# Altium PCB DriverPCB.PcbDoc (part 1 of 2) (continued)
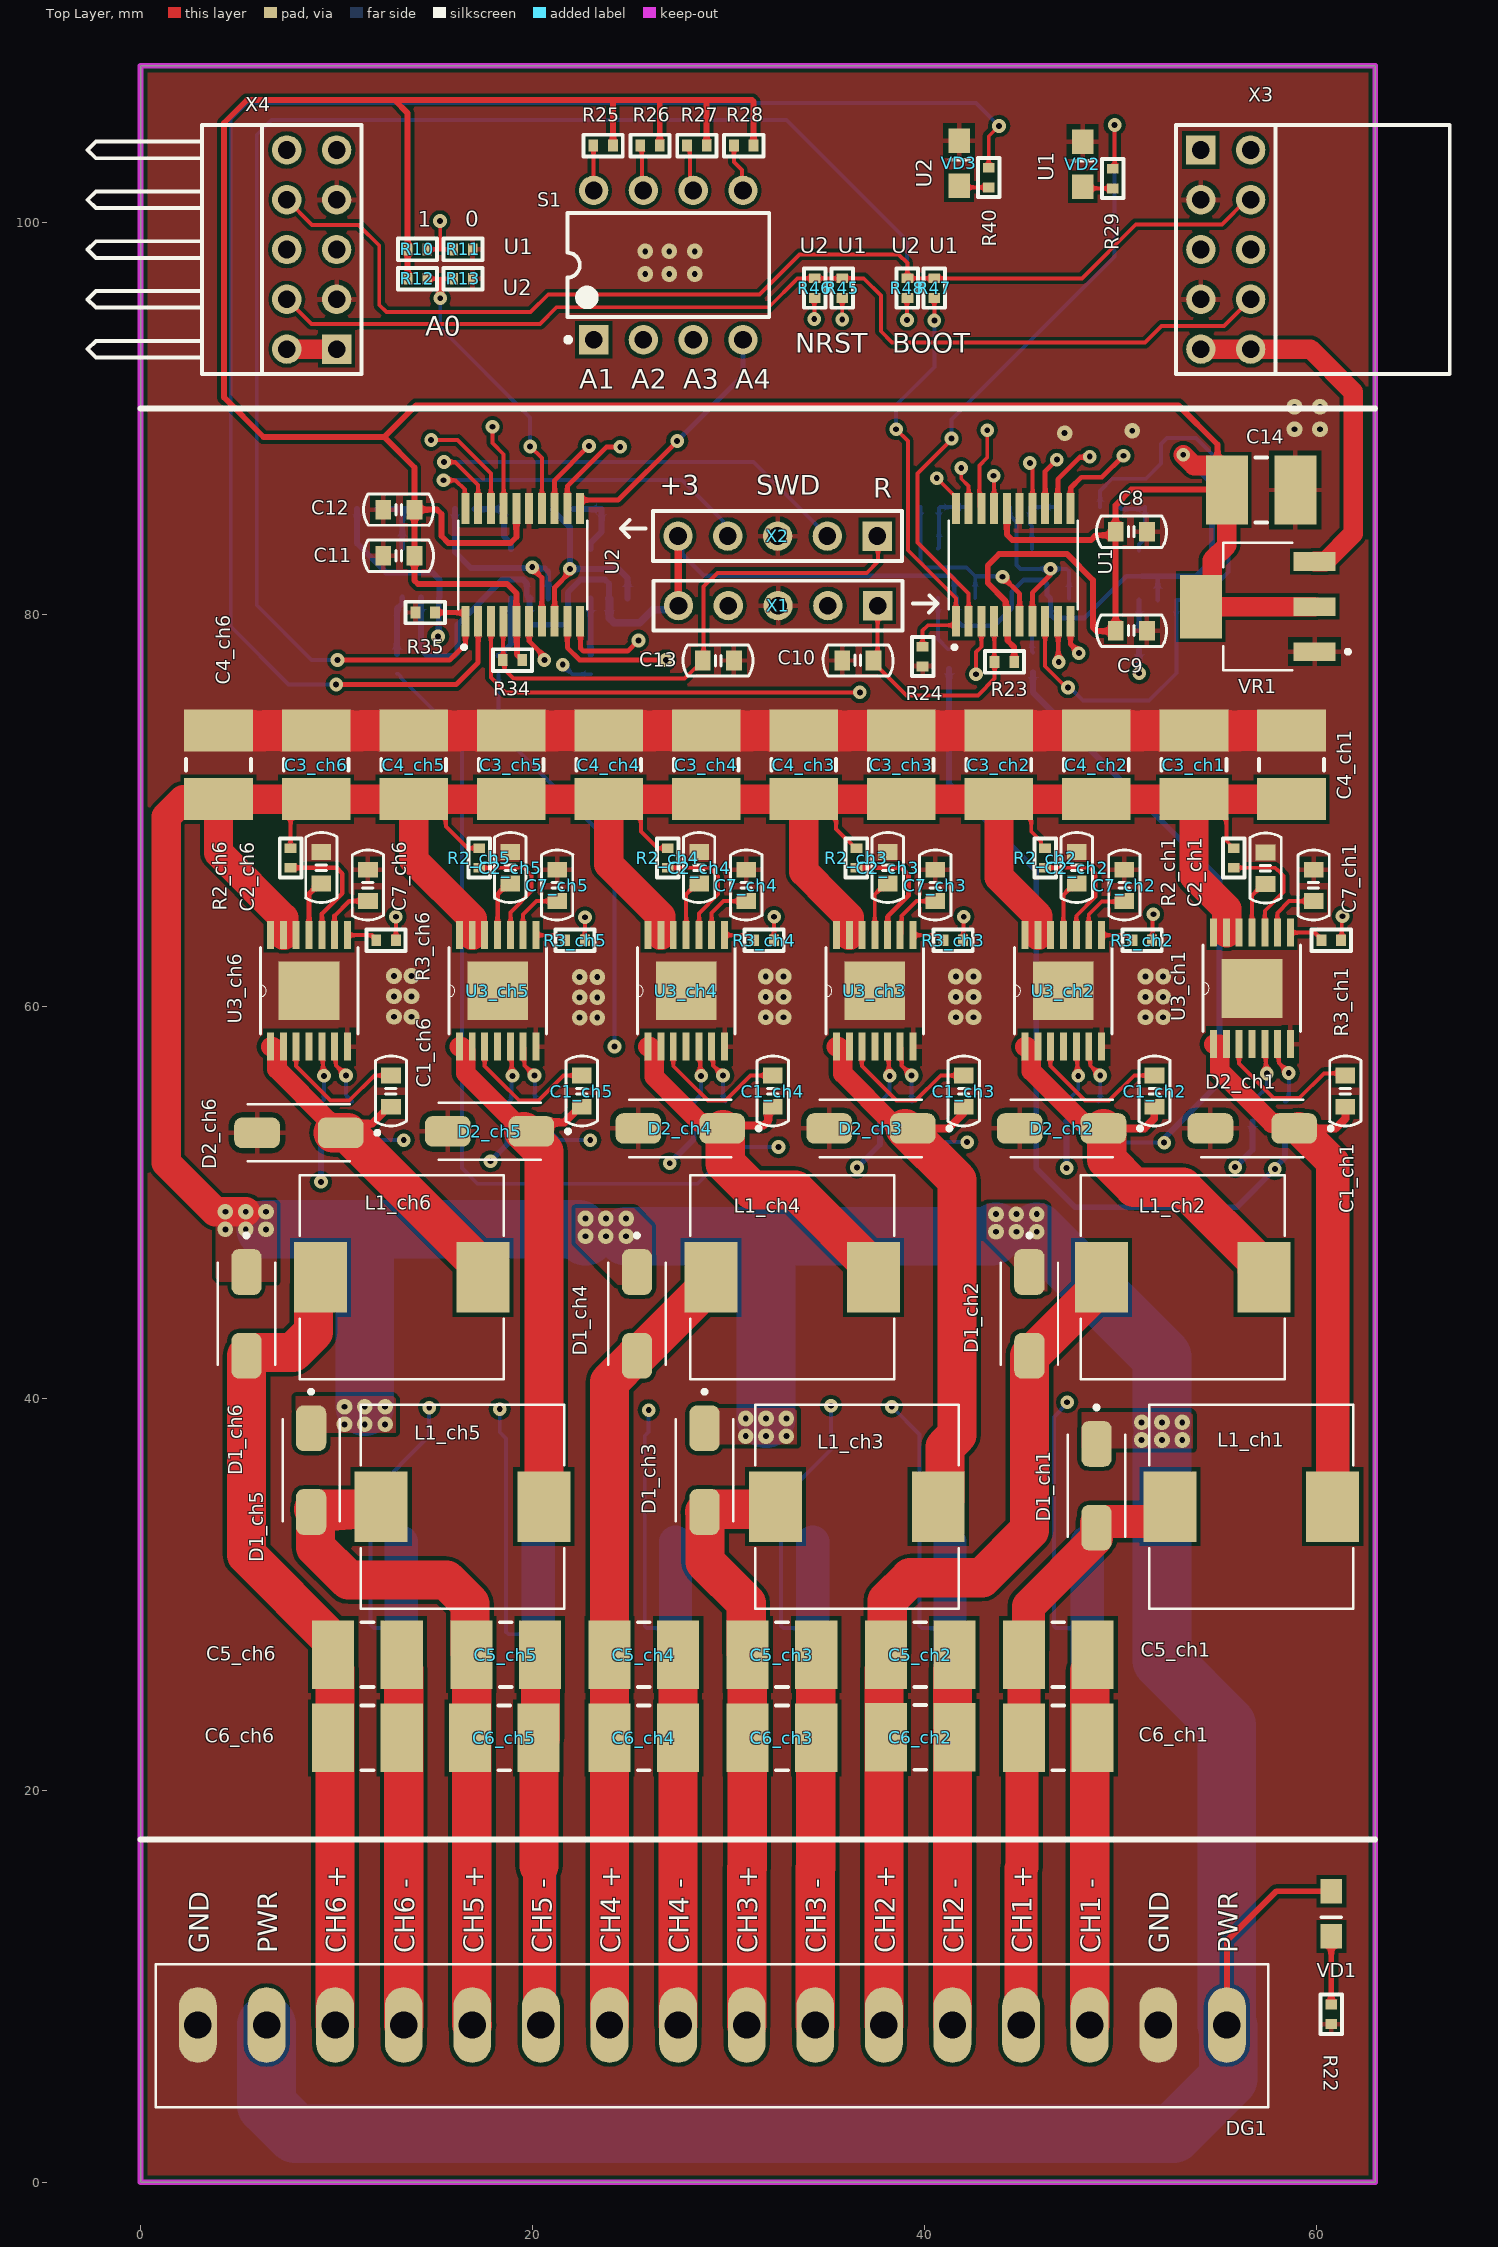
[diagram p0: Top Layer view]
## Classes and differential pairs (continued)
component class ch1: C1_ch1 C1_U_chanel1_U_chanel1 C2_ch1 C2_U_chanel1_U_chanel1 C3_ch1 C4_ch1 C5_ch1 C6_ch1 C7_ch1 C8_U_chanel1_U_chanel1 D1_ch1 D1_U_chanel1_U_chanel1 D2_ch1 D2_U_chanel1_U_chanel1 L1_ch1 L1_U_chanel1_U_chanel1 R1_ch1 R1_U_chanel1_U_chanel1 R2_ch1 R2_U_chanel1_U_chanel1 R3_ch1 R3_U_chanel1_U_chanel1 R4_ch1 R5_ch1 R5_U_chanel1_U_chanel1 R6_ch1 R6_U_chanel1_U_chanel1 R7_ch1 R7_U_chanel1_U_chanel1 R8_ch1 R8_U_chanel1_U_chanel1 R9_ch1 R9_U_chanel1_U_chanel1 R11_U_chanel1_U_chanel1 R12_U_chanel1_U_chanel1 R13_U_chanel1_U_chanel1 R14_ch1 R16_ch1 R17_ch1 U1_U_chanel1_U_chanel1 U2_U_chanel1_U_chanel1 U3_ch1 U4_ch1
component class DriverPCB: C8 C9 C10 C11 C12 C13 C14 DG1 H? R10 R11 R12 R13 R22 R23 R24 R25 R26 R27 R28 R29 R34 R35 R40 R45 R46 R47 R48 S1 U1 U2 VD1 VD2 VD3 VR1 X1 X2 X3 X4

## Components (designator, comment, footprint, x,y, rotation, side; value= is the part's Value field where it differs from the comment)
C1_ch1 "0603 0.1 uF" "CAPACITOR 0603" 61.475,54.875 r90 top (schematic designator C1)
C1_ch2 "0603 0.1 uF" "CAPACITOR 0603" 51.735,54.875 r90 top (schematic designator C1)
C1_ch3 "0603 0.1 uF" "CAPACITOR 0603" 41.995,54.875 r90 top (schematic designator C1)
C1_ch4 "0603 0.1 uF" "CAPACITOR 0603" 32.255,54.875 r90 top (schematic designator C1)
C1_ch5 "0603 0.1 uF" "CAPACITOR 0603" 22.515,54.875 r90 top (schematic designator C1)
C1_ch6 "0603 0.1 uF" "CAPACITOR 0603" 12.775,54.875 r90 top (schematic designator C1)
C2_ch1 "0603 1 uF" "CAPACITOR 0603" 57.4,66.25 r90 top (schematic designator C2)
C2_ch2 "0603 1 uF" "CAPACITOR 0603" 47.765,66.275 r90 top (schematic designator C2)
C2_ch3 "0603 1 uF" "CAPACITOR 0603" 38.13,66.275 r90 top (schematic designator C2)
C2_ch4 "0603 1 uF" "CAPACITOR 0603" 28.495,66.275 r90 top (schematic designator C2)
C2_ch5 "0603 1 uF" "CAPACITOR 0603" 18.86,66.275 r90 top (schematic designator C2)
C2_ch6 "0603 1 uF" "CAPACITOR 0603" 9.225,66.275 r90 top (schematic designator C2)
C3_ch1 "1812 4.7 uF" CAPCHIP1812 53.748,72.325 r270 top (schematic designator C3)
C3_ch2 "1812 4.7 uF" CAPCHIP1812 43.793,72.325 r270 top (schematic designator C3)
C3_ch3 "1812 4.7 uF" CAPCHIP1812 38.816,72.325 r270 top (schematic designator C3)
C3_ch4 "1812 4.7 uF" CAPCHIP1812 28.861,72.325 r270 top (schematic designator C3)
C3_ch5 "1812 4.7 uF" CAPCHIP1812 18.907,72.325 r270 top (schematic designator C3)
C3_ch6 "1812 4.7 uF" CAPCHIP1812 8.952,72.325 r270 top (schematic designator C3)
C4_ch1 "1812 4.7 uF" CAPCHIP1812 58.725,72.325 r270 top (schematic designator C4)
C4_ch2 "1812 4.7 uF" CAPCHIP1812 48.77,72.325 r270 top (schematic designator C4)
C4_ch3 "1812 4.7 uF" CAPCHIP1812 33.839,72.325 r270 top (schematic designator C4)
C4_ch4 "1812 4.7 uF" CAPCHIP1812 23.884,72.325 r270 top (schematic designator C4)
C4_ch5 "1812 4.7 uF" CAPCHIP1812 13.93,72.325 r270 top (schematic designator C4)
C4_ch6 "1812 4.7 uF" CAPCHIP1812 3.975,72.325 r270 top (schematic designator C4)
C5_ch1 "1812 4.7 uF" CAPCHIP1812 46.825,26.925 r180 top (schematic designator C5)
C5_ch2 "1812 4.7 uF" CAPCHIP1812 39.775,26.925 r180 top (schematic designator C5)
C5_ch3 "1812 4.7 uF" CAPCHIP1812 32.725,26.925 r180 top (schematic designator C5)
C5_ch4 "1812 4.7 uF" CAPCHIP1812 25.675,26.925 r180 top (schematic designator C5)
C5_ch5 "1812 4.7 uF" CAPCHIP1812 18.625,26.925 r180 top (schematic designator C5)
C5_ch6 "1812 4.7 uF" CAPCHIP1812 11.575,26.925 r180 top (schematic designator C5)
C6_ch1 "1812 4.7 uF" CAPCHIP1812 46.825,22.675 r180 top (schematic designator C6)
C6_ch2 "1812 4.7 uF" CAPCHIP1812 39.775,22.7 r180 top (schematic designator C6)
C6_ch3 "1812 4.7 uF" CAPCHIP1812 32.725,22.675 r180 top (schematic designator C6)
C6_ch4 "1812 4.7 uF" CAPCHIP1812 25.675,22.675 r180 top (schematic designator C6)
C6_ch5 "1812 4.7 uF" CAPCHIP1812 18.55,22.675 r180 top (schematic designator C6)
C6_ch6 "1812 4.7 uF" CAPCHIP1812 11.575,22.675 r180 top (schematic designator C6)
C7_ch1 "0603 0.1 uF" "CAPACITOR 0603" 59.85,65.375 r90 top (schematic designator C7)
C7_ch2 "0603 0.1 uF" "CAPACITOR 0603" 50.2,65.375 r90 top (schematic designator C7)
C7_ch3 "0603 0.1 uF" "CAPACITOR 0603" 40.55,65.375 r90 top (schematic designator C7)
C7_ch4 "0603 0.1 uF" "CAPACITOR 0603" 30.9,65.375 r90 top (schematic designator C7)
C7_ch5 "0603 0.1 uF" "CAPACITOR 0603" 21.25,65.375 r90 top (schematic designator C7)
C7_ch6 "0603 0.1 uF" "CAPACITOR 0603" 11.6,65.375 r90 top (schematic designator C7)
C8 "0603 0.1 uF" "CAPACITOR 0603" 49.75,84.225 r0 top
C9 "0603 0.1 uF" "CAPACITOR 0603" 49.75,79.175 r0 top
C10 "0603 0.1 uF" "CAPACITOR 0603" 35.8,77.65 r0 top
C11 "0603 0.1 uF" "CAPACITOR 0603" 13.975,83 r180 top
C12 "0603 0.1 uF" "CAPACITOR 0603" 13.975,85.35 r180 top
C13 "0603 0.1 uF" "CAPACITOR 0603" 30.275,77.65 r180 top
C14 "1812 4.7 uF" CAPCHIP1812 57.175,86.35 r180 top
D1_ch1 "B340A-13" DIOM5226X240N#1 48.775,35.539 r270 top (schematic designator D1)
D1_ch2 "B340A-13" DIOM5226X240N#1 45.35,44.313 r270 top (schematic designator D1)
D1_ch3 "B340A-13" DIOM5226X240N#1 28.775,36.337 r270 top (schematic designator D1)
D1_ch4 "B340A-13" DIOM5226X240N#1 25.325,44.313 r270 top (schematic designator D1)
D1_ch5 "B340A-13" DIOM5226X240N#1 8.7,36.337 r270 top (schematic designator D1)
D1_ch6 "B340A-13" DIOM5226X240N#1 5.4,44.313 r270 top (schematic designator D1)
D2_ch1 "B340A-13" DIOM5226X240N#2 56.725,53.775 r180 top (schematic designator D2)
D2_ch2 "B340A-13" DIOM5226X240N#2 46.995,53.775 r180 top (schematic designator D2)
D2_ch3 "B340A-13" DIOM5226X240N#2 37.265,53.775 r180 top (schematic designator D2)
D2_ch4 "B340A-13" DIOM5226X240N#2 27.535,53.775 r180 top (schematic designator D2)
D2_ch5 "B340A-13" DIOM5226X240N#2 17.805,53.625 r180 top (schematic designator D2)
D2_ch6 "B340A-13" DIOM5226X240N#2 8.075,53.55 r180 top (schematic designator D2)
DG1 "15EDGVC-3.5-16P" 15EDGVC-3.5-16P 2.925,8.025 r90 top value=NC
L1_ch1 "B82464G4223M000" IND_B82464G4223M000 56.675,34.475 r180 top (schematic designator L1)
L1_ch2 "B82464G4223M000" IND_B82464G4223M000 53.175,46.175 r180 top (schematic designator L1)
L1_ch3 "B82464G4223M000" IND_B82464G4223M000 36.55,34.475 r180 top (schematic designator L1)
L1_ch4 "B82464G4223M000" IND_B82464G4223M000 33.25,46.175 r180 top (schematic designator L1)
L1_ch5 "B82464G4223M000" IND_B82464G4223M000 16.425,34.475 r180 top (schematic designator L1)
L1_ch6 "B82464G4223M000" IND_B82464G4223M000 13.325,46.175 r180 top (schematic designator L1)
R1_ch1 "0402 1K" "Resistor 0402" 56.725,54.125 r90 bottom (schematic designator R1)
R1_ch2 "0402 1K" "Resistor 0402" 47.225,54.125 r90 bottom (schematic designator R1)
R1_ch3 "0402 1K" "Resistor 0402" 37.725,54.125 r90 bottom (schematic designator R1)
R1_ch4 "0402 1K" "Resistor 0402" 28.225,54.125 r90 bottom (schematic designator R1)
R1_ch5 "0402 1K" "Resistor 0402" 18.725,54.125 r90 bottom (schematic designator R1)
R1_ch6 "0402 1K" "Resistor 0402" 9.225,54.125 r90 bottom (schematic designator R1)
R2_ch1 "0402 100K" "Resistor 0402" 55.775,67.075 r90 top (schematic designator R2)
R2_ch2 "0402 100K" "Resistor 0402" 46.15,67.075 r90 top (schematic designator R2)
R2_ch3 "0402 100K" "Resistor 0402" 36.525,67.075 r90 top (schematic designator R2)
R2_ch4 "0402 100K" "Resistor 0402" 26.9,67.075 r90 top (schematic designator R2)
R2_ch5 "0402 100K" "Resistor 0402" 17.275,67.075 r90 top (schematic designator R2)
R2_ch6 "0402 100K" "Resistor 0402" 7.65,67.075 r90 top (schematic designator R2)
R3_ch1 "0402 10K" "Resistor 0402" 60.25,63.375 r0 top (schematic designator R3)
R3_ch2 "0402 10K" "Resistor 0402" 50.605,63.375 r0 top (schematic designator R3)
R3_ch3 "0402 10K" "Resistor 0402" 40.96,63.375 r0 top (schematic designator R3)
R3_ch4 "0402 10K" "Resistor 0402" 31.315,63.375 r0 top (schematic designator R3)
R3_ch5 "0402 10K" "Resistor 0402" 21.67,63.375 r0 top (schematic designator R3)
R3_ch6 "0402 10K" "Resistor 0402" 12.025,63.375 r0 top (schematic designator R3)
R4_ch1 "0402 1K" "Resistor 0402" 58.4,54.15 r90 bottom (schematic designator R4)
R4_ch2 "0402 1K" "Resistor 0402" 48.88,54.15 r90 bottom (schematic designator R4)
R4_ch3 "0402 1K" "Resistor 0402" 39.36,54.15 r90 bottom (schematic designator R4)
R4_ch4 "0402 1K" "Resistor 0402" 29.84,54.15 r90 bottom (schematic designator R4)
R4_ch5 "0402 1K" "Resistor 0402" 20.32,54.15 r90 bottom (schematic designator R4)
R4_ch6 "0402 1K" "Resistor 0402" 10.8,54.15 r90 bottom (schematic designator R4)
R5_ch1 "1206 NC" "Resistor 1206" 48.295,32.675 r180 bottom (schematic designator R5)
R5_ch2 "1206 NC" "Resistor 1206" 41.295,32.675 r180 bottom (schematic designator R5)
R5_ch3 "1206 NC" "Resistor 1206" 34.294,32.675 r180 bottom (schematic designator R5)
R5_ch4 "1206 NC" "Resistor 1206" 27.293,32.675 r180 bottom (schematic designator R5)
R5_ch5 "1206 NC" "Resistor 1206" 20.292,32.675 r180 bottom (schematic designator R5)
R5_ch6 "1206 NC" "Resistor 1206" 13.292,32.675 r180 bottom (schematic designator R5)
R6_ch1 "1206 1 Om" "Resistor 1206" 48.295,30.475 r180 bottom (schematic designator R6)
R6_ch2 "1206 1 Om" "Resistor 1206" 41.295,30.475 r180 bottom (schematic designator R6)
R6_ch3 "1206 1 Om" "Resistor 1206" 34.294,30.475 r180 bottom (schematic designator R6)
R6_ch4 "1206 1 Om" "Resistor 1206" 27.293,30.475 r180 bottom (schematic designator R6)
R6_ch5 "1206 1 Om" "Resistor 1206" 20.292,30.475 r180 bottom (schematic designator R6)
R6_ch6 "1206 1 Om" "Resistor 1206" 13.292,30.475 r180 bottom (schematic designator R6)
R7_ch1 "1206 1 Om" "Resistor 1206" 48.295,28.275 r180 bottom (schematic designator R7)
R7_ch2 "1206 1 Om" "Resistor 1206" 41.295,28.275 r180 bottom (schematic designator R7)
R7_ch3 "1206 1 Om" "Resistor 1206" 34.294,28.275 r180 bottom (schematic designator R7)
R7_ch4 "1206 1 Om" "Resistor 1206" 27.293,28.275 r180 bottom (schematic designator R7)
R7_ch5 "1206 1 Om" "Resistor 1206" 20.292,28.275 r180 bottom (schematic designator R7)
R7_ch6 "1206 1 Om" "Resistor 1206" 13.292,28.275 r180 bottom (schematic designator R7)
R8_ch1 "1206 1 Om" "Resistor 1206" 48.295,26.075 r180 bottom (schematic designator R8)
R8_ch2 "1206 1 Om" "Resistor 1206" 41.295,26.075 r180 bottom (schematic designator R8)
R8_ch3 "1206 1 Om" "Resistor 1206" 34.294,26.075 r180 bottom (schematic designator R8)
R8_ch4 "1206 1 Om" "Resistor 1206" 27.293,26.075 r180 bottom (schematic designator R8)
R8_ch5 "1206 1 Om" "Resistor 1206" 20.292,26.075 r180 bottom (schematic designator R8)
R8_ch6 "1206 1 Om" "Resistor 1206" 13.292,26.075 r180 bottom (schematic designator R8)
R9_ch1 "1206 NC" "Resistor 1206" 48.295,23.875 r180 bottom (schematic designator R9)
R9_ch2 "1206 NC" "Resistor 1206" 41.295,23.875 r180 bottom (schematic designator R9)
R9_ch3 "1206 NC" "Resistor 1206" 34.294,23.875 r180 bottom (schematic designator R9)
R9_ch4 "1206 NC" "Resistor 1206" 27.293,23.875 r180 bottom (schematic designator R9)
R9_ch5 "1206 NC" "Resistor 1206" 20.292,23.875 r180 bottom (schematic designator R9)
R9_ch6 "1206 NC" "Resistor 1206" 13.292,23.875 r180 bottom (schematic designator R9)
R10 "0402 NC" "Resistor 0402" 14.625,98.625 r180 top
R11 "0402 10K" "Resistor 0402" 16.95,98.625 r180 top
R12 "0402 10K" "Resistor 0402" 14.625,97.125 r180 top
R13 "0402 NC" "Resistor 0402" 16.95,97.125 r180 top
R14_ch1 "0402 1K" "Resistor 0402" 41.25,77.225 r90 bottom (schematic designator R14)
R14_ch2 "0402 1K" "Resistor 0402" 45.525,77.05 r90 bottom (schematic designator R14)
R14_ch3 "0402 1K" "Resistor 0402" 50.95,78.2 r90 bottom (schematic designator R14)
R14_ch4 "0402 1K" "Resistor 0402" 13.075,76.975 r90 bottom (schematic designator R14)
R14_ch5 "0402 1K" "Resistor 0402" 18.263,76.9 r90 bottom (schematic designator R14)
R14_ch6 "0402 1K" "Resistor 0402" 22.975,76.95 r90 bottom (schematic designator R14)
R16_ch1 "0402 1K" "Resistor 0402" 43.08,85.475 r180 bottom (schematic designator R16)
R16_ch2 "0402 1K" "Resistor 0402" 47.665,85.475 r180 bottom (schematic designator R16)
R16_ch3 "0402 1K" "Resistor 0402" 52.25,85.475 r180 bottom (schematic designator R16)
R16_ch4 "0402 1K" "Resistor 0402" 14.545,85.375 r180 bottom (schematic designator R16)
R16_ch5 "0402 1K" "Resistor 0402" 19.535,85.375 r180 bottom (schematic designator R16)
R16_ch6 "0402 1K" "Resistor 0402" 24.525,85.375 r180 bottom (schematic designator R16)
R17_ch1 "0402 10K" "Resistor 0402" 40.787,85.475 r180 bottom (schematic designator R17)
R17_ch2 "0402 10K" "Resistor 0402" 45.372,85.475 r180 bottom (schematic designator R17)
R17_ch3 "0402 10K" "Resistor 0402" 49.957,85.475 r180 bottom (schematic designator R17)
R17_ch4 "0402 10K" "Resistor 0402" 12.05,85.375 r180 bottom (schematic designator R17)
R17_ch5 "0402 10K" "Resistor 0402" 17.04,85.375 r180 bottom (schematic designator R17)
R17_ch6 "0402 10K" "Resistor 0402" 22.03,85.375 r180 bottom (schematic designator R17)
R22 "0402 10K" "Resistor 0402" 60.75,8.075 r90 top
R23 "0402 100K" "Resistor 0402" 43.575,77.575 r0 top
R24 "0402 10K" "Resistor 0402" 39.9,78.35 r270 top
R25 "0402 1K" "Resistor 0402" 24.1,103.925 r180 top
R26 "0402 1K" "Resistor 0402" 26.492,103.925 r180 top
R27 "0402 1K" "Resistor 0402" 28.883,103.925 r180 top
R28 "04021K" "Resistor 0402" 31.275,103.925 r180 top
R29 "0402 3K" "Resistor 0402" 49.6,102.74 r270 top
R34 "0402 100K" "Resistor 0402" 18.475,77.675 r0 top
R35 "0402 10K" "Resistor 0402" 15.025,80.1 r180 top
R40 "0402 3K" "Resistor 0402" 43.275,102.79 r270 top
R45 "0402 NC" "Resistor 0402" 35.8,97.15 r270 top
R46 "0402 NC" "Resistor 0402" 34.4,97.15 r270 top
R47 "0402 NC" "Resistor 0402" 40.5,97.15 r270 top
R48 "0402 NC" "Resistor 0402" 39.125,97.15 r270 top
S1 "SW-DIP4" DIP-8 26.925,97.825 r90 top value=DIP4
U1 "STM32F030F4P6" SOP65P640X120-20N 44.525,82.525 r90 top
U2 "STM32F030F4P6" SOP65P640X120-20N 19.5,82.525 r90 top
U3_ch1 "LM3406MH" SOP65P640X110-15N 56.706,60.92 r90 top (schematic designator U3)
U3_ch2 "LM3406MH" SOP65P640X110-15N 47.083,60.795 r90 top (schematic designator U3)
U3_ch3 "LM3406MH" SOP65P640X110-15N 37.461,60.795 r90 top (schematic designator U3)
U3_ch4 "LM3406MH" SOP65P640X110-15N 27.839,60.795 r90 top (schematic designator U3)
U3_ch5 "LM3406MH" SOP65P640X110-15N 18.217,60.795 r90 top (schematic designator U3)
U3_ch6 "LM3406MH" SOP65P640X110-15N 8.594,60.795 r90 top (schematic designator U3)
U4_ch1 "LMC7101BIM5" *SOT95P280X145-5N 41.638,82.1 r90 bottom value=LMC7110BIM5 (schematic designator U4)
U4_ch2 "LMC7101BIM5" *SOT95P280X145-5N 46.425,82.075 r90 bottom value=LMC7110BIM5 (schematic designator U4)
U4_ch3 "LMC7101BIM5" *SOT95P280X145-5N 51.9,82 r90 bottom value=LMC7110BIM5 (schematic designator U4)
U4_ch4 "LMC7101BIM5" *SOT95P280X145-5N 14.3,82.125 r90 bottom value=LMC7110BIM5 (schematic designator U4)
U4_ch5 "LMC7101BIM5" *SOT95P280X145-5N 19.85,82.075 r90 bottom value=LMC7110BIM5 (schematic designator U4)
U4_ch6 "LMC7101BIM5" *SOT95P280X145-5N 23.9,82.075 r90 bottom value=LMC7110BIM5 (schematic designator U4)
VD1 "0805 G" 0805- 60.756,14.85 r270 top
VD2 "0805 G" 0805- 48.07,101.825 r90 top
VD3 "0805 G" 0805- 41.765,101.875 r90 top
VR1 "LM1117MPX-3.3" VREG_LM1117MPX-3.3 57,80.4 r180 top
X1 "" PLS-5-3D 37.605,80.45 r180 top
X2 "" PLS-5-3D 37.58,84 r180 top
X3 "PBD-10R" PBD-10RR 54.1,103.7 r270 top value=KLS1-208-2-10-R
X4 "PLD-10R" PLD-10RR2 10,93.54 r90 top value=KLS1-207-2-10-R1

## Footprints (in the part's own frame and the unit in brackets; to place one, negate y for a bottom-side part, rotate by r counter-clockwise, add the part's x,y. Pads: shape width x height; smd on the part's side, far side on the other; paste and mask are expansions set on the pad)
15EDGVC-3.5-16P [mil]
  oval 152x76 hole 55.12: 1(0,0) 2(0,-137.8) 3(0,-275.59) 4(0,-413.39) 5(0,-551.18) 6(0,-688.98) 7(0,-826.77) 8(0,-964.57) 9(0,-1102.36) 10(0,-1240.16) 11(0,-1377.95) 12(0,-1515.75) 13(0,-1653.54) 14(0,-1791.34) 15(0,-1929.13) 16(0,-2066.93)
  silkscreen extent -165,-2150 122,85, body extent -162,-2151 122,85, height 362
0805- [mm]
  rect 1.25x1.1 smd mask+0.06: A(0,0) K(2.3,0)
  silkscreen extent 1.33,-0.5 1.33,0.5, body extent 0.12,-0.62 2.14,0.63, height 1.1
*SOT95P280X145-5N [mm]
  rect 1.21x0.59 smd: 1(-1.255,0.95) 2(-1.255,0) 3(-1.255,-0.95) 4(1.255,-0.95) 5(1.255,0.95)
  silkscreen extent -2.51,-1.45 0.8,1.45, body extent -1.18,-1.45 1.2,1.45, height 1.1
"CAPACITOR 0603" [mm]
  rect 0.8x1 smd: 1(0,0) 2(1.6,0)
  silkscreen extent -0.97,-0.8 2.6,0.8, body extent -0.01,-0.38 1.64,0.42, height 0.81
CAPCHIP1812 [mm] "Chip Capacitor, 2-Leads, Body 4,50x3,20mm,"
  rect 2.15x3.5 smd mask+0.06: 1(-1.75,0) 2(1.75,0)
  silkscreen extent -0.3,-1.65 0.3,1.65, body extent -2.25,-1.6 2.25,1.6, height 1
DIOM5226X240N#1 [mm]
  rrect50% 2.33x1.55 smd: A(2.135,0)
  rrect50% 2.33x1.55 smd mask+0.102: C(-2.135,0)
  silkscreen extent -4.1,-1.46 2.6,1.46, body extent -2.6,-1.3 2.6,1.3, height 2.4
DIOM5226X240N#2 [mm]
  rrect50% 2.33x1.55 smd: A(2.135,0) C(-2.135,0)
  silkscreen extent -4.1,-1.46 2.6,1.46, body extent -2.6,-1.3 2.6,1.3, height 2.4
DIP-8 [mm] "DIP; 8 Leads; Row Spacing 7.62 mm; Pitch 2.54 mm"
  rect 1.5x1.5 hole 0.9: 1(-3.81,3.81)
  round 1.5 hole 0.9: 2(-3.81,1.27) 3(-3.81,-1.27) 4(-3.81,-3.81) 5(3.81,-3.81) 6(3.81,-1.27) 7(3.81,1.27) 8(3.81,3.81)
  silkscreen extent -3.93,-5.15 2.65,5.23, body extent -3.6,-5.15 3.6,5.15, height 5.08
IND_B82464G4223M000 [mm]
  rect 2.7x3.6 smd: 1(-4.15,0) 2(4.15,0)
  silkscreen extent -5.2,-5.2 5.2,5.2, body extent -5.2,-5.2 5.2,5.2, height 4.8
PBD-10RR [mm] "Connector; Header; 5x2 Position"
  rect 1.5x1.5 hole 0.9: 1(0,0)
  round 1.5 hole 0.9: 2(0,2.54) 3(2.54,0) 4(2.54,2.54) 5(5.08,0) 6(5.08,2.54) 7(7.62,0) 8(7.62,2.54) 9(10.16,0) 10(10.16,2.54)
  silkscreen extent -1.27,-1.27 11.43,12.7, body extent -1.27,-0.3 11.43,12.7, height 5
PLD-10RR2 [mm] "Connector; Header; 5x2 Position"
  rect 1.5x1.5 hole 0.9: 1(0,0)
  round 1.5 hole 0.9: 2(0,2.54) 3(2.54,0) 4(2.54,2.54) 5(5.08,0) 6(5.08,2.54) 7(7.62,0) 8(7.62,2.54) 9(10.16,0) 10(10.16,2.54)
  silkscreen extent -1.27,-1.27 11.43,12.7, body extent -1.27,-0.32 11.43,12.52, height 5.08
PLS-5-3D [mm] "Connector; Header; 5 Position"
  rect 1.5x1.5 hole 0.9: 1(0,0)
  round 1.5 hole 0.9: 2(2.54,0) 3(5.08,0) 4(7.62,0) 5(10.16,0)
  silkscreen extent -1.27,-1.27 11.43,1.27, body extent -1.27,-1.27 11.43,1.27, height 8.44
"Resistor 0402" [mm]
  rect 0.5x0.6 smd: 1(0,0) 2(1,0)
  silkscreen extent -0.5,-0.55 1.5,0.55, body extent 0,-0.28 1,0.27, height 0.46
"Resistor 1206" [mm]
  rect 1.6x1.6 smd: 1(0,0) 2(3.2,0)
  silkscreen extent -1.02,-1.02 4.23,1.02, body extent -0.03,-0.79 3.4,0.8, height 0.5
SOP65P640X110-15N [mil]
  rect 56x14 smd: 1(-112,77) 2(-112,51) 3(-112,26) 4(-112,0) 5(-112,-26) 6(-112,-51) 7(-112,-77) 8(112,-77) 9(112,-51) 10(112,-26) 11(112,0) 12(112,26) 13(112,51) 14(112,77)
  rect 118x122 smd: 15(0,0)
  silkscreen extent -87,-98 87,98, body extent -126,-98 126,98, height 47
SOP65P640X120-20N [mm]
  rect 1.56x0.41 smd: 1(-2.88,2.925) 2(-2.88,2.275) 3(-2.88,1.625) 4(-2.88,0.975) 5(-2.88,0.325) 6(-2.88,-0.325) 7(-2.88,-0.975) 8(-2.88,-1.625) 9(-2.88,-2.275) 10(-2.88,-2.925) 11(2.88,-2.925) 12(2.88,-2.275) 13(2.88,-1.625) 14(2.88,-0.975) 15(2.88,-0.325) 16(2.88,0.325) 17(2.88,0.975) 18(2.88,1.625) 19(2.88,2.275) 20(2.88,2.925)
  silkscreen extent -4.3,-3.3 2.25,3.3, body extent -3.2,-3.25 3.2,3.25, height 1.18
VREG_LM1117MPX-3.3 [mm]
  rect 2.15x0.95 smd: 1(-2.9,2.3) 2(-2.9,0) 3(-2.9,-2.3)
  rect 2.15x3.25 smd: 4(2.9,0)
  silkscreen extent -4.7,-3.25 1.75,3.25, body extent -3.5,-3.25 3.5,3.25, height 1.8

## Part data
C1_ch1 C1_ch2 C1_ch3 C1_ch4 C1_ch5 C1_ch6 C2_ch1 C2_ch2 C2_ch3 C2_ch4 C2_ch5 C2_ch6 C7_ch1 C7_ch2 C7_ch3 C7_ch4 C7_ch5 C7_ch6: library part Capasitor, "Ceramic Capacitor SMD", Package=0603
C3_ch1 C3_ch2 C3_ch3 C3_ch4 C3_ch5 C3_ch6 C4_ch1 C4_ch2 C4_ch3 C4_ch4 C4_ch5 C4_ch6 C5_ch1 C5_ch2 C5_ch3 C5_ch4 C5_ch5 C5_ch6 C6_ch1 C6_ch2 C6_ch3 C6_ch4 C6_ch5 C6_ch6: library part "Cap C", "Ceramic Capacitor SMD", Nominal_voltage_V={Nominal_voltage_V}, Package=1812, Tolerance_Percent={Tolerance_Percent}, Body={Body}, Class="Электронные компоненты", Installation={Installation}, Ordering_Information={Ordering_Information}, Pins={Pins}, SubClass=Конденсаторы, TKE={TKE}
C8 C9 C10 C11 C12 C13: library part Capasitor, "Ceramic Capacitor", Package=0603
C14: library part "Cap C", "Ceramic Capacitor", Nominal_voltage_V={Nominal_voltage_V}, Package=1812, Tolerance_Percent={Tolerance_Percent}, Body={Body}, Class="Электронные компоненты", Installation={Installation}, Ordering_Information={Ordering_Information}, Pins={Pins}, SubClass=Конденсаторы, TKE={TKE}
D1_ch1 D1_ch2 D1_ch3 D1_ch4 D1_ch5 D1_ch6 D2_ch1 D2_ch2 D2_ch3 D2_ch4 D2_ch5 D2_ch6: "Diode Schottky 40 V 3A Surface Mount SMA", Package="DO-214 Diodes Inc.", Availability="In Stock", Check_prices=https://www.snapeda.com/parts/B340A-13/Diodes+Inc./view-part/?ref=eda, MF="Diodes Inc.", MP=B340A-13, Price=None, Purchase-URL=https://pricing.snapeda.com/search/part/B340A-13/?ref=eda, SnapEDA_Link=https://www.snapeda.com/parts/B340A-13/Diodes+Inc./view-part/?ref=snap
L1_ch1 L1_ch2 L1_ch3 L1_ch4 L1_ch5 L1_ch6: Package=None, Check_prices=https://www.snapeda.com/parts/B82464G4223M000/TM+Electronics/view-part/?ref=eda, MF="TDK ELECTRONICS", MP=B82464G4223M000, Purchase-URL=https://pricing.snapeda.com/search/part/B82464G4223M000/?ref=eda, SnapEDA_Link=https://www.snapeda.com/parts/B82464G4223M000/TM+Electronics/view-part/?ref=snap
R1_ch1 R1_ch2 R1_ch3 R1_ch4 R1_ch5 R1_ch6 R2_ch1 R2_ch2 R2_ch3 R2_ch4 R2_ch5 R2_ch6 R3_ch1 R3_ch2 R3_ch3 R3_ch4 R3_ch5 R3_ch6 R4_ch1 R4_ch2 R4_ch3 R4_ch4 R4_ch5 R4_ch6 R10 R11 R12 R13 R14_ch1 R14_ch2 R14_ch3 R14_ch4 R14_ch5 R14_ch6 R16_ch1 R16_ch2 R16_ch3 R16_ch4 R16_ch5 R16_ch6 R17_ch1 R17_ch2 R17_ch3 R17_ch4 R17_ch5 R17_ch6 R22 R23 R24 R25 R26 R27 R28 R29 R34 R35 R40 R45 R46 R47 R48: library part Resistor, "Resistor", Package=0402
R5_ch1 R5_ch2 R5_ch3 R5_ch4 R5_ch5 R5_ch6 R6_ch1 R6_ch2 R6_ch3 R6_ch4 R6_ch5 R6_ch6 R7_ch1 R7_ch2 R7_ch3 R7_ch4 R7_ch5 R7_ch6 R8_ch1 R8_ch2 R8_ch3 R8_ch4 R8_ch5 R8_ch6 R9_ch1 R9_ch2 R9_ch3 R9_ch4 R9_ch5 R9_ch6: library part Resistor, "Resistor", Package=1206
S1: "DIP Switch", LatestRevisionDate=17-Jul-2002, LatestRevisionNote="Re-released for DXP Platform.", PackageReference=DIP-8, Published=24-Mar-1999, Publisher="Altium Limited"
U1 U2: "MCU 32-bit STM32F ARM Cortex M0 RISC 16KB Flash 2.5V/3.3V 20-Pin TSSOP Tray", Package=None, Availability=Unavailable, MP=STM32F030F4P6, Price=None
U3_ch1 U3_ch2 U3_ch3 U3_ch4 U3_ch5 U3_ch6: "Constant Current Buck Regulator", Package=None, Availability=Unavailable, MP=LM3406MH, Price=None
VD1: library part "LED SMD", "Green", Color={Color}, Package=0805, Body={Body}, Class="Электронные компоненты", Diameter_mm={Diameter_mm}, Installation={Installation}, Luminous_intensity_mcd={Luminous_intensity_mcd}, Ordering_Information={Ordering_Information}, Pins=2, Pitch_mm={Pitch_mm}, SubClass=Светодиоды
VD2 VD3: library part "LED SMD", "Green", Package=0805, CompType=LED, Note=Read, Pins=2
VR1: "800-mA 15-V linear voltage regulator", Package="SOT-223-4 Texas Instruments", Availability="In Stock", Check_prices=https://www.snapeda.com/parts/LM1117MPX-3.3/Texas+Instruments/view-part/?ref=eda, MF="Texas Instruments", MP=LM1117MPX-3.3, Price=None, Purchase-URL=https://pricing.snapeda.com/search/part/LM1117MPX-3.3/?ref=eda, SnapEDA_Link=https://www.snapeda.com/parts/LM1117MPX-3.3/Texas+Instruments/view-part/?ref=snap
X1 X2: library part PLS-5, "Header, 5-Pin", Package="2.54 x 5", CompType=connector, Note="header pins 2.54mm x 5", PartNumber=PLS-5, Pins=5
X3 X4: "Header, 5-Pin, Dual row"
  X3: Package=PBD-10R
  X4: Package=PLD-10R
U4_ch1 U4_ch2 U4_ch3 U4_ch4 U4_ch5 U4_ch6: Check_prices=https://www.snapeda.com/parts/LMC7101BIM5/Texas%20Instruments/view-part/19255/?ref=eda, SnapEDA_Link=https://www.snapeda.com/parts/LMC7101BIM5/Texas%20Instruments/view-part/19255/?ref=snap

## Via types
v1: diameter 0.7, hole 0.3, Top Layer to Bottom Layer, tented both sides, 81 vias
v2: diameter 0.8, hole 0.3, Top Layer to Bottom Layer, tented both sides, 78 vias

## Nets (pads, with @x,y where several pads share a name; then routed paths per layer and width w, separated by ;. In a path a pad name is that pad's centre, name@x,y a point inside that pad or via, vN(x,y) a via of type N, cw(c..) or ccw(c..) an arc to the next point about the centre after c; other vN are vias at no path point)
+3.3v: C8.1 C9.1 C11.1 C12.1 C14.2 R10.2 R12.2 R23.2 R25.1 R26.1 R27.1 R28.1 R34.2 U1.5 U1.16 U2.5 U2.16 U4_ch1.2 U4_ch2.2 U4_ch3.2 U4_ch4.2 U4_ch5.2 U4_ch6.2 VR1.2 VR1.4 X1.5 X2.5 | length 260.4
  Top Layer w0.25: X2.5@27.42,84 X2.5@27.433,83.988 ; X1.5@27.433,80.462 X1.5@27.445,80.45
  Top Layer w0.3: R12.2@13.625,97.125 R10.2@13.625,98.625 13.625,105.575 12.95,106.25 ; U2.16@19.175,85.405 19.175,83.95 18.875,83.65 15.7,83.65 15.35,84 15.35,85.125 15.125,85.35 C12.1@13.975,85.35 ; R34.2@19.475,77.675 19.2,77.95 19.2,79.62 U2.5@19.175,79.645 19.175,81.075 18.7,81.55 14.151,81.55 13.975,81.726 C12.1@13.975,85.35 ; R25.1@24.1,103.925 24.1,106.225 24.125,106.25 ; R26.1@26.492,103.925 26.492,106.233 26.475,106.25 ; R27.1@28.883,103.925 28.883,106.242 28.875,106.25 ; R28.1@31.275,103.925 31.275,106.175 31.2,106.25 28.875,106.25 ; U1.16@44.2,85.405 44.2,84.075 44.475,83.8 48.5,83.8 48.743,84.043 49.568,84.043 C8.1@49.75,84.225 ; R23.2@44.575,77.575 44.575,78.325 44.255,78.645 44.255,79.59 U1.5@44.2,79.645 44.145,79.7 44.145,80.68 43.225,81.6 43.225,82.5 43.8,83.075 47.275,83.075 48.6,81.75 48.6,79.326 48.776,79.15 49.725,79.15 C9.1@49.75,79.175 49.75,85.575 50.55,86.375 55.4,86.375 C14.2@55.425,86.35 ; C14.2@54.95,87.5 54.95,88.675 52.95,90.675 14.05,90.675 12.425,89.05 ; 12.425,89.05 13.975,87.5 C12.1@13.975,85.35 ; 12.425,89.05 6.275,89.05 4.25,91.075 4.25,105.075 5.425,106.25 12.95,106.25 ; 12.95,106.25 24.125,106.25 ; 24.125,106.25 26.475,106.25 ; 26.475,106.25 28.875,106.25
  Top Layer w0.4: X1.5@27.433,80.462 X2.5@27.433,83.988
  Top Layer w1: v1(53.2,88.15) 53.75,87.6 54.85,87.6 54.95,87.5 55.425,87.025 C14.2@55.425,86.35 55.425,83.525 54.675,82.775 54.675,80.975 VR1.4@54.1,80.4 VR1.2@59.9,80.4
  Bottom Layer w0.25: X2.5@27.42,84 27.606,83.814 27.606,83.095 28.725,81.975 41.369,81.975 41.516,81.829 41.516,80.967 U4_ch1.2@41.638,80.845 41.638,79.709 41.921,79.425 43.55,79.425 44.45,80.325 44.45,81.155 45.045,81.75 46.045,81.75 46.255,81.54 46.255,80.99 U4_ch2.2@46.425,80.82 46.425,79.971 46.571,79.825 48.175,79.825 50.3,81.95 51.1,81.95 ; U4_ch3.2@51.9,80.745 51.9,81.95
  Bottom Layer w0.3: U4_ch4.2@14.3,80.87 14.3,78.2 14.625,77.875 15.999,77.875 16.175,78.051 16.175,79.49 18.46,81.775 19.529,81.775 19.705,81.599 19.705,80.965 U4_ch5.2@19.85,80.82 19.85,79.625 20,79.475 21.624,79.475 21.8,79.651 21.8,81.125 22.45,81.775 23.699,81.775 23.9,81.574 U4_ch6.2@23.9,80.82 ; 51.1,81.95 51.9,81.95 53.851,81.95 54.675,82.774 54.675,86.675 v1(53.2,88.15)
  Bottom Layer w0.4: U4_ch6.2@23.9,80.82 23.925,80.795 23.925,79.809 24.159,79.575 25.472,79.575 26.137,80.24 27.235,80.24 X1.5@27.445,80.45
+5v: VR1.3 X3.9 X3.10 X4.1 X4.2 | length 111.6
  Top Layer w1: X4.2@7.46,93.54 X4.1@10,93.54 ; X3.9@54.1,93.54 X3.10@56.64,93.54 59.685,93.54 61.875,91.35 61.875,84.125 60.45,82.7 VR1.3@59.9,82.7
  Layer 2 w1: X4.1@10,93.54 X4.2@7.46,93.54 5.235,93.54 4.45,94.325 4.45,105.35 5.2,106.1 59,106.1 60.325,104.775 60.325,94.45 59.325,93.45 54.19,93.45 X3.9@54.1,93.54
A1: S1.1 U1.3 U2.3 | length 62.9
  Top Layer w0.2: U2.3@17.875,79.645 17.875,76.775 18.625,76.025 v1(36.7,76.025) ; v1(42.625,76.95) 42.625,78.075 42.9,78.35 U1.3@42.9,79.645
  Layer 2 w0.2: S1.1@23.115,94.015 21.775,92.675 21.775,86.65 23.025,85.4 23.025,77.75 24.75,76.025 v1(36.7,76.025) 41.7,76.025 v1(42.625,76.95)
A2: S1.2 U1.9 U2.9 | length 48
  Top Layer w0.25: U2.9@21.775,79.645 21.775,78.304 22.404,77.675 v1(26.8,77.675) ; U1.9@46.8,79.645 46.825,79.62 46.825,77.6 v1(46.85,77.575)
  Layer 2 w0.2: S1.2@25.655,94.015 25.655,86.705 24.225,85.275 24.225,78.15 24.7,77.675 v1(26.8,77.675) 46.75,77.675 v1(46.85,77.575)
A3: S1.3 U1.10 U2.10 | length 46.4
  Top Layer w0.25: U2.10@22.425,79.645 22.444,79.626 22.444,78.271 22.59,78.125 24.85,78.125 v1(25.4,78.675) ; U1.10@47.45,79.645 47.45,78.49 47.875,78.065 v1(47.875,78.025)
  Layer 2 w0.2: S1.3@28.195,94.015 29.05,93.16 29.05,88.625 25.4,84.975 v1(25.4,78.675) 25.5,78.575 47.325,78.575 v1(47.875,78.025)
A4: S1.4 U1.11 U2.11 | length 42.7
  Top Layer w0.25: U2.11@22.425,85.405 22.425,85.759 22.505,85.839 24.368,85.839 27.375,88.845 v1(27.375,88.85) ; U1.11@47.45,85.405 47.45,86.45 48,87 49.05,87 v1(50.15,88.1)
  Layer 3 w0.25: S1.4@30.735,94.015 33.195,96.475 43.8,96.475 49,91.275 49,89.25 v1(50.15,88.1)
  Bottom Layer w0.25: v1(27.375,88.85) 30.735,92.21 S1.4@30.735,94.015
gnd_ch1: C2_ch1.2 C2_ch2.2 C2_ch3.2 C2_ch4.2 C2_ch5.2 C2_ch6.2 C3_ch1.1 C3_ch2.1 C3_ch3.1 C3_ch4.1 C3_ch5.1 C3_ch6.1 C4_ch1.1 C4_ch2.1 C4_ch3.1 C4_ch4.1 C4_ch5.1 C4_ch6.1 C7_ch1.2 C7_ch2.2 C7_ch3.2 C7_ch4.2 C7_ch5.2 C7_ch6.2 C8.2 C9.2 C10.1 C11.2 C12.2 C13.1 C14.1 D2_ch1.A D2_ch2.A D2_ch3.A D2_ch4.A D2_ch5.A D2_ch6.A DG1.1 DG1.15 R5_ch1.2 R5_ch2.2 R5_ch3.2 R5_ch4.2 R5_ch5.2 R5_ch6.2 R6_ch1.2 R6_ch2.2 R6_ch3.2 R6_ch4.2 R6_ch5.2 R6_ch6.2 R7_ch1.2 R7_ch2.2 R7_ch3.2 R7_ch4.2 R7_ch5.2 R7_ch6.2 R8_ch1.2 R8_ch2.2 R8_ch3.2 R8_ch4.2 R8_ch5.2 R8_ch6.2 R9_ch1.2 R9_ch2.2 R9_ch3.2 R9_ch4.2 R9_ch5.2 R9_ch6.2 R11.1 R13.1 R16_ch1.1 R16_ch2.1 R16_ch3.1 R16_ch4.1 R16_ch5.1 R16_ch6.1 R22.1 R24.2 R35.2 U1.15 U2.15 U3_ch1.7 U3_ch1.15 U3_ch2.7 U3_ch2.15 U3_ch3.7 U3_ch3.15 U3_ch4.7 U3_ch4.15 U3_ch5.7 U3_ch5.15 U3_ch6.7 U3_ch6.15 U4_ch1.5 U4_ch2.5 U4_ch3.5 U4_ch4.5 U4_ch5.5 U4_ch6.5 VD2.K VD3.K VR1.1 X1.3 X2.3 X3.3 X3.7 X4.3 X4.7 | length 54.7
  Top Layer w2: C4_ch6.1@3.975,74.075 C3_ch6.1@8.952,74.075 C4_ch5.1@13.93,74.075 C3_ch5.1@18.907,74.075 C4_ch4.1@23.884,74.075 C3_ch4.1@28.861,74.075 C4_ch3.1@33.839,74.075 C3_ch3.1@38.816,74.075 C3_ch2.1@43.793,74.075 C4_ch2.1@48.77,74.075 C3_ch1.1@53.748,74.075 C4_ch1.1@58.725,74.075
  other v2: 22.4,59.425 23.3,59.425 31.9,59.45 32.8,59.45 41.6,59.45 42.5,59.45 51.275,59.45 52.175,59.45 12.925,59.475 13.825,59.475 22.4,60.462 23.3,60.462 31.9,60.487 32.8,60.487 41.6,60.487 42.5,60.487 51.275,60.487 52.175,60.487 12.925,60.512 13.825,60.512 22.4,61.5 23.3,61.5 31.9,61.525 32.8,61.525 41.6,61.525 42.5,61.525 51.275,61.525 52.175,61.525 12.925,61.55 13.825,61.55 47.15,89.25 50.6,89.375 58.875,89.45 60.175,89.45 58.875,90.6 60.175,90.6 25.75,97.375 26.975,97.375 28.275,97.375 25.75,98.525 26.975,98.525 28.275,98.525
M1_A0_PWM_CH4: R3_ch3.2 R10.1 R11.2 U1.14 | length 68.8
  Top Layer w0.2: R10.1@14.625,98.625 15.288,98.625 ; v1(15.275,100.075) 15.288,100.062 15.288,98.625 ; R11.2@15.95,98.625 15.288,98.625 ; R3_ch3.2@41.96,63.375 41.98,63.395 41.98,64.555 v1(42,64.575) ; v1(45.375,87.725) 45.512,87.588 45.512,85.417 U1.14@45.5,85.405
  Layer 3 w0.2: v1(15.275,100.075) 17.45,97.9 17.45,95.975 21.25,92.175 43.575,92.175 45.375,90.375 v1(45.375,87.725) 45.375,67.95 v1(42,64.575)
M1_ADC1: R17_ch1.2 U1.6 U4_ch1.1 | length 11
  Top Layer w0.25: v1(43.975,81.925) 44.85,81.05 U1.6@44.85,79.645
  Bottom Layer w0.2: R17_ch1.2@39.787,85.475 39.787,82.675 40.062,82.4 42.138,82.4 42.588,81.95 U4_ch1.1@42.588,80.845
  Bottom Layer w0.25: 42.588,81.95 43.95,81.95 v1(43.975,81.925)
M1_ADC2: R17_ch2.2 U1.7 U4_ch2.1 | length 10.3
  Top Layer w0.25: U1.7@45.5,79.645 45.5,81.1 46.425,82.025 v1(46.425,82.325)
  Bottom Layer w0.2: R17_ch2.2@44.372,85.475 44.372,85.053 44.7,84.725 44.7,82.525 44.9,82.325 47.258,82.325 47.375,82.208 U4_ch2.1@47.375,80.82
M1_ADC3: R17_ch3.2 U1.8 U4_ch3.1 | length 32.2
  Top Layer w0.2: U1.8@46.15,79.645 46.15,77.356 47.231,76.275 v1(47.325,76.275)
  Bottom Layer w0.2: v1(47.325,76.275) 47.417,76.275 48.092,75.6 51.45,75.6 52.85,77 U4_ch3.1@52.85,80.745 54.07,80.745 55.5,82.175 55.5,87.35 53.85,89 52.375,89 52.075,88.7 52.075,87.7 51.3,86.925 49.575,86.925 48.957,86.307 R17_ch3.2@48.957,85.475
M1_BOOT: R24.1 R47.2 U1.1 | length 21.3
  Top Layer w0.2: v1(38.55,89.45) 39.15,88.85 39.15,83.275 41.6,80.825 U1.1@41.6,79.645 41.6,79.555 41.495,79.45 40.175,79.45 39.9,79.175 R24.1@39.9,78.35 ; v1(40.5,95) R47.2@40.5,96.15
  Bottom Layer w0.2: v1(38.55,89.45) 38.55,90.675 40.5,92.625 v1(40.5,95)
M1_LED: R29.1 U1.2 | length 32.8
  Top Layer w0.2: v1(41.375,88.975) 41.375,88.925 39.65,87.2 39.65,83.675 42.25,81.075 U1.2@42.25,79.645 ; R29.1@49.6,102.74 49.7,102.84 v1(49.7,104.975)
  Bottom Layer w0.2: v1(41.375,88.975) 41.375,89.95 49.7,98.275 v1(49.7,104.975)
M1_NRST: C10.2 R23.1 R45.2 U1.4 X1.1 | length 31.1
  Top Layer w0.2: v1(35.8,95.05) R45.2@35.8,96.15 ; X1.1@37.605,80.45 37.605,77.855 C10.2@37.4,77.65 37.4,77.55 39.075,75.875 42.725,75.875 43.575,76.725 R23.1@43.575,77.575 43.563,77.587 43.563,79.633 U1.4@43.55,79.645
  Layer 2 w0.2: v1(35.8,95.05) 35.8,89.75 38.35,87.2 39.4,86.15 39.4,82.245 X1.1@37.605,80.45
M1_PWM_CH1: R3_ch1.2 U1.12 | length 33.6
  Top Layer w0.2: R3_ch1.2@61.25,63.375 61.287,63.412 61.287,64.562 v1(61.325,64.6)
  Top Layer w0.25: U1.12@46.8,85.405 46.8,86.9 47.927,88.027 48.406,88.027 v1(48.429,88.05)
  Layer 3 w0.2: v1(48.429,88.05) 54.737,81.742 54.737,71.188 v1(61.325,64.6)
M1_PWM_CH2: R3_ch2.2 U1.13 | length 30.7
  Top Layer w0.2: R3_ch2.2@51.605,63.375 51.64,63.41 51.64,64.665 v1(51.675,64.7)
  Top Layer w0.25: U1.13@46.15,85.405 46.156,85.411 46.156,87.306 v1(46.75,87.9)
  Layer 3 w0.25: v1(46.75,87.9) 53.275,81.375 53.275,66.3 v1(51.675,64.7)